# Allegro board MB1248D.brd (continued)
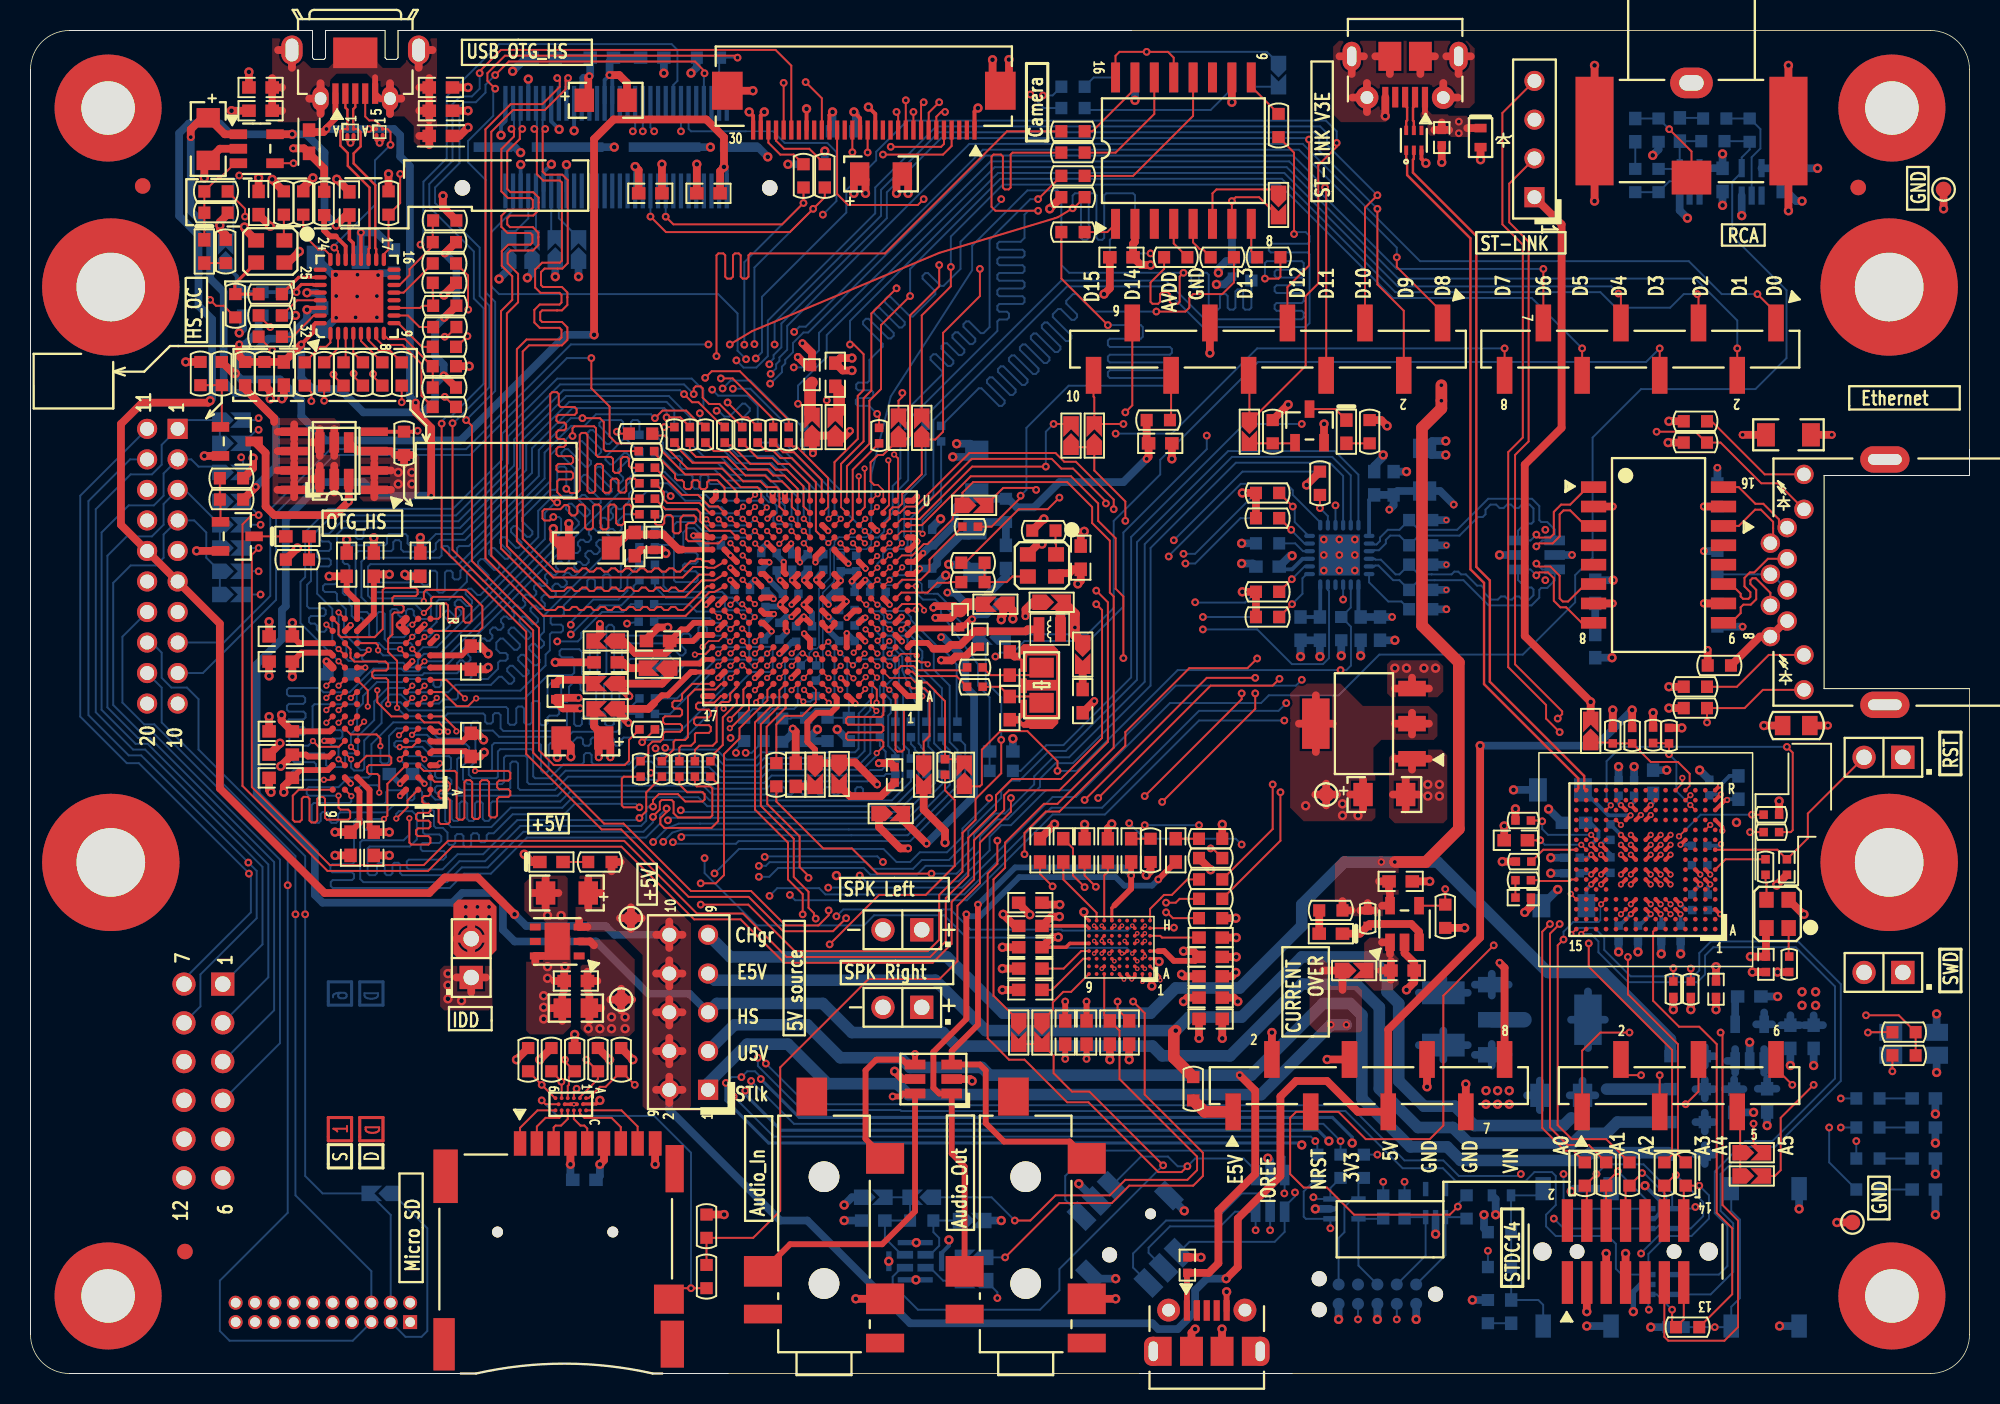
[diagram p0: board, top side]
## Routing (per net, layer and track width the routed paths; a pad name or vN(x,y) marks a point on that pad's centre or on a via; arc(x,y) is an arc through that point) (continued)
  L4_SIG w0.254: 68.92,28.06 69.45,27.52 v3(69.67,27.52)
  L4_SIG w0.508: v4(45.42,79.06) 47.51,76.97 47.52,76.95 47.93,76.55 47.95,76.53 49.32,76.53 50.12,77.33 51.9,77.33 64,65.23 72.01,65.23 73.87,63.37 73.87,59.55 78.57,54.85 78.57,42.91 83.52,37.96 v4(83.52,37.2) ; 68.92,28.06 68.92,28.41 v4(67.39,29.94) ; v4(18.11,70.82) v4(18.11,69.7)
  BOTTOM w0.254: CN15.60 45.6,78.85 45.42,79.03 v4(45.42,79.06)
  BOTTOM w0.508: v4(18.11,70.82) 18.72,70.82 19.11,70.44 C85.1 18.98,69.69 18.14,69.69 18.12,69.7 v4(18.11,69.7) 18.11,69.07 16.85,67.81 15.58,67.81 14.43,66.66 13.8,66.66 13.42,66.28 v4(13.42,65.52) 13.8,65.14 16.34,65.14 17.73,63.74 17.73,62.73 19.32,61.14 28.17,61.14 35.09,68.06 v4(36.91,68.06)
  vias: v4(85.93,37.33) v4(85.93,36.56) v4(86.95,36.56)
+3V3: length 184.1
  TOP w0.127: U12.C2 v3(72.99,27.34) 72.99,27.52 U12.D2 ; U12.B2 v3(72.99,26.52)
  TOP w0.203: U13.B1 36.21,17.66 37.06,17.66 v4(37.29,17.9)
  TOP w0.229: C59.1 67.82,27.93 68.07,28.18 U12.E9
  TOP w0.254: v4(47.07,82.67) 47.33,82.41 P1.30 ; v4(52.53,82.67) 52.33,82.46 P1.20 ; U7.B2 v2(25.81,38.64) ; U7.L7 v2(21.93,46.25)
  TOP w0.381: U7.N9 17.59,47.85 C27.1 ; U7.P7 22.48,49.75 C24.1 ; C29.1 28.72,46.25 U7.L1 ; U7.E1 26.24,41.41 28.29,41.41 C37.1 ; C45.1 22.2,35.75 22.2,38.24 U7.B7 ; C35.1 19.61,42.08 U7.F9 ; U7.D9 19.56,40.43 18.17,40.43 18.04,40.55 C38.1 ; C41.1 17.66,39.54 19.47,39.54 U7.C9 ; C23.1 20.71,51.27 21.39,50.59 U7.R7 ; C30.1 17.73,47.23 19.61,47.23 U7.M9 ; U7.A7 21.54,38.1 21.54,36.06 C44.1 ; U7.P2 v2(25.81,49.07)
  TOP w0.508: T4.3 21.41,60.44 T3.4 ; T4.3 22.52,59.96 ; T4.3 23.61,60.44 ; R118.1 v4(37.93,20.56) ; v4(39.45,20.56) R119.1 ; C27.1 v4(17.15,49.19) ; T4.2 22.52,59.65 ; T4.2 23.61,59.17 ; T4.2 22.52,58.69 ; C45.1 v4(23.5,35.47) ; C37.1 29.24,41.95 v4(29.67,41.52) ; v4(54.69,77.33) 54.69,78.22 C8.1 53.93,78.22 v4(53.93,77.33) ; v4(88.85,62.09) 88.47,62.47 R46.2 ; 36.48,25.11 C65.1 ; C65.1 36.48,26.33 ; C65.1 37.13,25.72 ; C64.1 75.52,26.02 v4(75.39,26.15) ; R58.2 25.08,60.19 ; R58.2 23.85,60.19 ; R58.2 24.47,59.59 ; CN8.2 v4(81.31,22.34) ; C29.1 29.85,46.14 v4(29.98,46.27) ; U8.3 90.49,45.59 ; U8.3 89.38,44.88 ; U8.3 91.59,44.88 ; R121.2 v4(45.43,10.41) ; TP4.1 38.69,25.21 ; TP4.1 37.98,24.5 ; TP4.1 38.69,23.79 ; TP4.1 39.4,24.5 ; R115.1 v4(31.83,20.56) ; 28.86,24.98 JP3.1 ; JP3.1 29.83,25.95 ; JP3.1 27.9,25.95 ; C70.1 v4(76.54,21.96) ; C68.1 75.77,24.63 v4(75.52,24.37) ; v4(79.37,51.22) R74.1 R75.1 ; 36.61,23.1 C69.2 ; C69.2 37.38,23.94 ; C69.2 36.61,24.78 ; C44.1 v4(19.94,35.47) ; 36.91,28.06 36.66,28.31 U11.2 ; R117.1 v4(35.64,22.21) ; v4(24.52,52.36) 24.64,52.24 C25.1 ; C23.1 v4(19.56,52.24) ; R8.2 v4(66.76,76.32) ; v4(16.44,43.15) 16.44,42.78 C35.1 ; v4(17.61,73.52) 16.88,72.8 X1.4 ; R83.2 v4(106.28,43.3) ; C24.1 22.61,52.36 v4(23.5,52.36) ; R99.2 v4(77.3,33.01) ; X2.4 67.39,52.44 68.03,52.44 68.28,52.69 C22.2 68.79,51.93 v4(68.6,51.74) ; CN13.3 v4(101.94,4.05) ; C11.2 v4(14.94,78.35) ; v4(67.31,28.59) 66.91,28.59 C59.1 ; T4.1 22.52,58.38 ; T4.1 22.52,57.42 ; T4.1 23.61,57.9 ; R34.1 15.7,64.38 v4(15.7,63.87) ; CN12.4 v4(35.36,13.7) ; v4(79.37,57.7) R64.2 R68.1 ; R116.1 v4(33.36,20.56) ; C38.1 v4(16.39,39.79) ; U3.2 72.34,74.15 72.22,74.03 C13.1 72.73,72.63 v4(73.36,72.63) ; R108.2 v4(78.95,29.83) ; v4(16.59,38.09) 16.59,38.47 C41.1 ; R63.1 v4(83.58,58.22) ; v4(39.6,79.08) 39.83,78.86 C9.1 ; v4(15.83,78.25) 15.83,78.22 R9.1 ; v4(59.9,34.79) 59.9,35.55 58.5,36.95 SB16.1 ; R13.1 12.91,75.96 12.4,75.45 v4(12.4,75.24) 12.4,75 12.78,74.61 R17.2 ; v4(17.15,45.66) C30.1 ; R71.2 v4(17.48,54.09) ; CN8.4 v4(84.93,20.58) ; v4(66.38,56) R70.1
  L4_SIG w0.508: v4(52.79,32.63) 52.79,33.09 52.07,33.8 52.07,40.11 51.54,40.64 v4(51.54,42.2)
  BOTTOM w0.254: CN15.36 v4(39.6,79.08) ; U18.9 83.32,53.38 82.63,52.69 81.97,52.69 C99.2
  BOTTOM w0.381: v2(25.81,38.64) 25.16,39.28 C121.1 ; C119.1 21.48,45.81 v2(21.93,46.25)
  BOTTOM w0.508: v4(17.35,69.33) R136.2 ; R177.1 v4(85.85,47.03) ; U16.5 110.82,78.98 C81.2 v4(110.83,79.91) ; R131.1 v4(49.61,79.24) ; R191.1 R192.1 50.8,41.46 51.54,42.2 v4(51.54,42.2) ; L8.2 v4(103.59,46.9) ; C149.1 35.36,12.84 v4(35.36,13.7) ; v4(52.53,82.67) C79.2 ; SB42.2 53.8,11.55 v4(53.29,11.04) ; LD1.1 v4(124.77,17.01) ; U14.2 C84.1 78.31,72.89 77.81,72.38 v4(77.81,72.12) ; v4(82.63,53.58) 82.5,53.58 C99.2 ; LD4.1 v4(124.77,10.4) ; v4(117.05,78.97) C80.2 113.39,78.97 U15.5 ; v4(100.92,11.93) 101.1,12.11 B2.1 ; B2.4 v4(101.94,3.11) ; R123.2 43.64,85.59 v4(43.26,85.21) ; LD3.1 v4(124.77,13.07) ; R130.1 v4(52.02,80.1) ; LD2.1 v4(124.77,15.1) ; R216.1 v4(94.44,4.81) ; CN16.1 v4(90.76,3.54)
  vias: v4(24.08,59.04) v4(24.08,58.28) v4(24.97,59.04) v4(24.97,58.28) v4(27.34,26.2) v4(27.34,25.44) v4(27.34,24.55) v4(28.23,24.43) v4(36.53,22.59) v4(37.29,22.59) v4(38.05,23.36) v4(38.05,22.59) v4(38.94,23.36) v4(38.94,22.59) v4(89.36,46.22) v4(90.12,46.22) v4(91.27,46.22) v4(92.03,46.22)
+5V: length 257.9
  TOP w0.229: C12.1 20.88,74.32 21.14,74.07 21.14,73 U4.21
  TOP w0.508: 35.93,29.69 U11.3 36.49,29.26 ; JP6.10 41.84,29.61 ; JP6.10 41.84,27.88 ; JP6.10 40.97,28.75 ; JP6.10 42.7,28.75 ; C54.1 37.37,31.48 ; C54.1 36.53,30.52 ; C54.1 36.53,32.45 ; JP6.6 42.7,23.67 ; JP6.6 41.84,22.8 ; JP6.6 41.84,24.53 ; JP6.6 40.97,23.67 ; C12.1 20.68,75.91 v4(20.02,75.25) ; 39.32,29.12 TP3.1 ; TP3.1 40.04,29.83 ; TP3.1 39.32,30.55 ; TP3.1 38.61,29.83 ; JP6.8 42.7,26.21 ; JP6.8 41.84,25.34 ; JP6.8 40.97,26.21 ; JP6.8 41.84,27.07 ; 38.05,32.91 R101.2 38.65,33.52 ; v4(94.95,41.14) 94.95,28.56 88.93,22.54 CN8.5 86.94,17.15 84.92,19.17 82.89,19.17 81.87,18.15 81.87,12.94 79.08,10.15 79.08,6.97 v4(78.31,6.21) ; U2.5 v4(17.14,81.2) ; JP6.2 41.84,19.45 ; JP6.2 40.97,18.59 ; JP6.2 41.84,17.72 ; JP6.2 42.7,18.59 ; 41.84,20.26 JP6.4 ; JP6.4 41.84,21.99 ; JP6.4 40.97,21.13 ; JP6.4 42.7,21.13 ; v4(31.7,30.09) 29.29,32.5 27.13,32.5 26.12,31.48 19.26,31.48 12.4,38.34 12.4,49.13 P2.6 P2.15 5.92,55.61 5.92,62.22 7.32,63.62 11.64,63.62 v4(11.77,63.74) ; R85.2 v4(104.91,43.47)
  L4_SIG w0.508: v4(17.14,81.2) 18.18,81.2 19.51,79.87 27.02,79.87 27.59,80.43 28.41,80.43 29.44,81.46 29.44,82.05 31.58,84.19 v4(31.58,85.33)
  BOTTOM w0.508: JP6.10 38.25,28.75 37.67,29.33 32.47,29.33 v4(31.7,30.09) ; v4(11.77,63.74) 11.89,63.87 11.89,69.08 11,69.97 11,74.59 9.73,75.86 9.73,81.27 10.37,81.9 12.4,81.9 13.1,81.2 v4(17.14,81.2) 18.05,81.2 19.26,80 19.26,76.01 v4(20.02,75.25) ; v4(94.95,41.14) 102.57,41.14 v4(104.91,43.47) ; v4(78.31,6.21) 77.04,6.21 76.28,5.45 76.28,4.05 75.14,2.91 73.87,2.91 73.49,3.29 57.61,3.29 50.88,10.02 49.1,10.02 41.84,17.29 JP6.2 ; v4(31.58,85.33) 32.47,86.22 L5.1
GND: length 817.4
  TOP w0.127: U12.E2 v3(72.99,28.34) ; U12.E7 v3(70.17,28.34) 70.17,28.52 U12.F7 ; U12.E8 v3(69.67,28.34) ; U12.G5 v3(71.49,29.34) ; U12.D6 v3(70.67,27.52)
  TOP w0.191: v4(68.99,30.24) 68.99,30.02 U12.H9 ; U12.A5 71.33,26.13 71.62,25.84 v3(71.62,25.82) ; U12.C1 73.73,27.18 v4(73.92,26.99) ; v4(73.44,25.39) 73.33,25.51 U12.A1
  TOP w0.203: U13.B4 U13.B3 v3(35.59,17.64) U13.B2
  TOP w0.229: U12.A3 72.33,26.03 v3(72.13,25.83) 71.83,26.13 U12.A4
  TOP w0.254: U9.F7 v2(106.77,32.04) ; U9.D8 v2(106.12,30.74) ; U9.M1 110.81,35.8 v2(110.81,35.56) ; D2.B1 22.66,80.84 v1(22.86,80.64) 23.06,80.83 D2.B2 ; U9.K10 v2(104.17,35.29) ; P1.14 55.33,82.54 v4(54.88,82.98) ; U9.K6 v2(107.42,35.29) ; v2(111.13,37.58) 111.01,37.58 U9.N1 ; U9.G10 v2(104.17,32.69) ; U9.F9 v2(104.82,32.04) ; U9.H7 v2(106.77,33.99) ; U9.H10 v2(104.17,33.99) ; U9.G6 v2(107.42,32.69) ; U9.F10 v2(104.17,32.04) ; U9.G12 v2(102.87,32.69) ; U9.G8 v2(106.12,32.69) ; U9.F2 v2(110.02,32.04) ; U9.F8 v2(106.12,32.04) ; U1.3 91.11,79.59 v4(91.39,79.31) ; U9.D7 v2(106.77,30.74) ; P1.1 61.83,82.69 v4(62.06,82.92) ; U9.F6 v2(107.42,32.04) ; U9.M9 v2(105.47,36.6) ; D1.B2 21.15,80.83 v1(20.96,80.64) 20.75,80.84 D1.B1 ; U9.H9 v2(104.82,33.99) ; U9.H8 v2(106.12,33.99) ; v4(48.06,82.67) 47.83,82.43 P1.29 ; U9.J8 v2(106.12,34.64) ; U9.G9 v2(104.82,32.69) ; U9.J9 v2(104.82,34.64) ; U9.H12 v2(102.87,33.99) ; U9.J10 v2(104.17,34.64) ; U9.F12 v2(102.87,32.04) ; P1.16 54.33,82.27 v4(53.93,82.67) ; U9.G2 v2(110.02,32.69) ; U9.D5 v2(108.07,30.74) ; U9.H6 v2(107.42,33.99) ; P1.23 v4(50.83,82.87) ; U9.M8 v2(106.12,36.59) ; U9.G7 v2(106.77,32.69) ; U9.K7 v2(106.77,35.29) ; U9.J6 v2(107.42,34.64) ; U9.J7 v2(106.77,34.64) ; U9.D9 v2(104.82,30.74) ; U9.K9 v2(104.82,35.29) ; U9.K8 v2(106.12,35.29)
  TOP w0.381: v2(20.97,38.66) 20.59,39.04 U7.B8 ; U6.R8 v2(52.25,55.2) ; U6.L10 50.26,52.36 v2(49.87,51.98) U6.K10 ; U6.G16 v2(45.05,48.78) ; U6.U17 44.89,57.42 v2(44.89,57.77) ; U6.C10 v2(49.85,45.58) ; U7.P8 20.95,49.01 20.96,49.01 v2(20.96,49.04) ; C29.2 28.22,47.05 U7.M1 ; U6.P1 57.82,54.79 v2(58.09,54.52) 58.04,54.48 58.04,54.45 57.59,53.99 U6.N1 ; U6.C13 v2(47.45,45.58) ; v2(58.07,57.46) 57.79,57.19 U6.U1 ; U6.K8 51.51,51.94 51.51,51.96 v2(51.47,52) 51.48,52 51.86,52.38 U6.L8 ; U6.K15 v2(45.85,52) ; U6.J10 v2(49.85,50.38) ; U6.L15 v2(45.85,52.8) ; U6.A17 v2(44.07,44.39) ; v2(26.81,39.99) 26.68,39.85 U7.C1 ; U6.H11 49.43,49.99 49.1,50.32 v2(49.1,50.39) 49.15,50.44 49.15,50.48 U6.J11 ; U6.B2 U6.A1 v2(58.41,44.39) ; U6.J16 v2(45.05,50.38) ; CN14.5 v4(78.34,5.35) ; U6.R4 55.41,55.23 v2(55.45,55.23) ; v2(24.2,38.64) 24.2,38.67 U7.B3 ; v2(49.33,53.18) 49.33,52.52 U6.L11 ; U6.G7 52.66,49.09 v2(52.3,48.72) 52.23,48.72 51.86,49.1 U6.G8 ; U6.G10 50.26,49.2 v2(50.65,49.6) 50.86,49.39 U6.G9 ; U7.N1 v2(26.6,48.27) ; U7.A3 24.2,37.87 v2(24.2,37.84) ; U6.J3 v2(56.27,50.38) ; U6.M15 v2(45.85,53.6) U6.N16 ; U6.H9 51.03,49.99 v2(50.65,50.38) U6.J9 ; U6.J8 v2(52.27,50.38) ; U6.L7 52.66,52.36 v2(53.07,51.95) 52.71,51.59 U6.K7 ; U6.G11 49.46,48.73 49.53,48.65 v2(49.53,48.64) ; U6.J7 53.22,50.79 53.42,50.59 v2(53.45,50.59) 52.85,49.99 U6.H7 ; U6.J17 v2(44.25,50.38) ; U6.H10 v2(49.85,49.58) ; v2(26.8,42.06) 26.39,42.06 U7.F1 ; U7.D1 26.31,40.77 28.49,40.77 C37.2 ; U6.H8 v2(52.27,49.58) ; U7.L3 v2(25.01,46.67) ; U6.K11 49.46,51.65 49.13,51.98 v2(49.1,51.98) ; U6.K9 v2(50.67,51.98) 51.06,52.36 U6.L9 ; U7.E9 v2(19.23,41.45)
  TOP w0.508: CN14.11 v4(78.04,2.91) ; 93.54,85.15 CN2.6 ; CN2.6 94.34,86.31 ; CN2.6 92.74,86.31 ; R95.1 v4(97.26,37) ; R84.1 v4(103.64,43.47) ; C30.2 v4(15.63,45.71) ; CN12.6 37.56,13.98 v4(37.29,13.7) ; D4.2 61.55,19.29 v4(61.68,19.17) ; X4.2 116.11,30.09 v4(116.16,30.09) ; v4(57.49,77.33) 57.49,78.22 C8.2 56.72,78.22 v4(56.72,77.33) ; v1(49.93,42.26) 50.12,42.06 C40.1 ; v4(53.8,65.72) 53.19,65.72 C16.1 53.04,66.54 v4(53.8,66.54) ; v4(41.61,53.74) 41.38,53.96 39.96,53.96 C20.2 ; C22.1 68.79,54.95 v4(69.02,55.18) ; C54.2 33.74,32.45 ; C54.2 33.74,30.52 ; C54.2 32.9,31.48 ; C54.2 34.57,31.48 ; 90.07,36.97 C42.2 ; C42.2 90.07,38.9 ; C42.2 90.91,37.94 ; C42.2 89.23,37.94 ; v4(102.44,85.71) CN3.3 v4(102.44,76.82) ; X1.2 14.01,75.01 14.01,75.12 v4(14.01,75.12) ; v4(16.46,63.87) 16.59,64 C14.2 ; R107.1 v4(93.93,29.2) ; v4(64.09,86.09) 64.09,84.62 P1.31 63.01,84.56 v4(63.01,86.08) ; R22.2 27.08,70.68 v4(27.08,70.66) ; v4(18.5,78.35) 17.86,77.71 R10.2 ; C67.1 v4(63.66,25.13) ; C9.2 v4(41.36,79.24) ; SB9.2 64.34,50.03 v4(64.34,49.44) ; SB9.2 63.96,50.28 ; SB9.2 63.71,50.15 63.71,49.72 63.58,49.6 v4(63.58,49.39) ; v4(34.24,55.36) 34.24,54.65 34.8,54.09 C21.1 35.26,54.29 v4(35.26,55.69) ; C29.2 29.47,47.66 v4(29.98,47.16) ; C45.2 v4(23.5,33.95) ; 33.06,26.93 U11.6 33.62,27.36 ; v4(65.45,30.06) 64.72,30.79 C56.2 ; R86.2 v4(108.16,42.31) ; v4(73.08,32.65) 73.36,32.93 R98.2 ; C49.2 70.57,35.73 70.82,35.98 v4(70.82,36.01) ; 34.83,23.1 C69.1 ; C69.1 34.05,23.94 ; C69.1 34.83,24.78 ; C37.2 29.44,40.43 v4(29.72,40.7) ; C2.2 v4(28.66,84.27) ; TP5.1 v4(118.32,9.89) ; R57.2 v4(107.26,61) ; C11.1 v4(15.7,75.17) ; CN14.10 76.04,2.67 v4(76.28,2.91) ; 85.73,86.31 CN2.7 ; CN2.7 86.54,85.15 ; CN2.7 87.34,86.31 ; v4(63.71,30.09) 64.47,29.33 C57.2 ; C27.2 v4(15.63,49.26) ; C13.2 70.69,71.11 v4(70.31,70.73) ; X2.2 66,54.34 v4(66.25,54.34) ; v4(34.5,40.37) 34.5,41.39 C36.2 34.88,41.64 35.39,41.14 v4(35.39,40.41) ; C1.2 v4(14.31,85.28) ; C18.1 v4(74.76,59.93) ; C62.2 v4(63.66,26.53) ; v4(115.14,76.19) CN3.4 v4(115.14,85.71) ; C60.2 v4(78.97,27.29) ; R79.2 v4(107.31,45) ; v4(28.66,81.65) 28.1,81.09 L1.1 ; R94.1 v4(114.53,37.5) ; C52.1 v4(114.37,32.01) ; R45.2 v4(82.38,63.49) ; 34.31,25.72 C65.2 ; C65.2 34.96,25.11 ; C65.2 34.96,26.33 ; C25.2 v4(25.53,54.78) ; CN8.7 v4(94.01,18.96) ; C31.2 64.44,46.98 v4(64.98,46.98) ; R112.1 v4(108.75,23.84) ; C64.2 78.69,26.02 v4(78.95,26.28) ; v4(11.38,78.35) 11.38,79.24 C7.2 12.4,80.25 U2.2 ; v4(27.02,77.17) 27.01,77.16 27.01,76.44 R14.2 ; C24.2 v4(22.48,54.76) ; v4(79.08,24.37) 78.82,24.63 C68.2 ; CN12.9 v4(40.91,13.7) ; U10.2 90,27.55 90.63,26.91 C63.1 90.63,25.64 v4(90.12,25.13) ; R11.1 v4(23.45,78.6) ; CN2.5 v4(88.74,82.4) ; C53.2 v4(91.65,32.25) ; v4(41.74,48.88) 41.1,48.88 40.34,48.12 C28.1 ; C48.2 v4(69.04,35.98) ; v4(71.96,20.56) C74.1 ; T1.2 v4(84.72,62.22) ; C38.2 16.34,41.26 v4(16.34,41.3) ; v4(14.58,59.99) 14.58,59.32 R61.1 ; C23.2 v4(20.71,54.64) ; v4(15.75,38.09) 15.63,38.22 C41.2 ; C66.1 v4(110.4,23.84) ; 88.08,86.31 CN2.11 89.04,85.15 ; R100.1 v4(96.4,33.54) ; C73.1 v4(70.69,20.56) ; C10.2 v4(43.64,79.24) ; CN13.7 v4(104.48,7.86) ; 90.49,39.57 U8.1 ; U8.1 91.59,40.28 ; U8.1 89.38,40.28 ; U3.10 v4(78.69,83.3) ; 86.58,83.61 CN2.9 ; CN2.9 87.54,84.56 ; CN2.9 87.54,82.66 ; 91.99,86.31 CN2.10 91.04,85.15 ; C46.2 v4(67.07,35.99) ; P1.32 v4(47.32,84.05) ; CN10.3 v4(54.06,4.89) ; U7.L9 v2(19.38,46.67) ; C4.2 v4(13.16,82.74) ; v4(97.87,30.21) 98.28,30.62 C55.1 ; v4(20.06,78.26) C12.2 ; R30.2 v4(28.73,66) ; C58.2 v4(78.97,28.56) ; R80.2 v4(107.31,43.6) ; C32.1 v4(34.37,46.6) ; C75.1 v4(76.66,7.61) ; CN13.5 v4(103.21,7.86) ; U7.P3 24.57,48.65 v2(24.18,49.04) U7.R3 ; v4(56.6,19.8) 57.1,19.29 D4.5 ; 92.54,84.56 CN2.8 93.49,83.61 ; CN5.7 v4(77.25,66.87) ; v4(11.38,60.13) T2.2 ; C70.2 v4(78.06,21.96) ; C35.2 v4(15.63,43.04) ; v4(32.34,34.02) 32.85,33.52 LD8.2 ; R44.2 v4(107.31,62.4) ; C43.1 v4(96.52,35.88) ; R97.2 v4(78.06,35.98) ; CN11.3 v4(71.07,4.89) ; R81.2 v4(113.54,42.46) ; C5.2 v4(28.66,82.74) ; CN8.6 v4(91.47,18.78) ; C61.1 v4(112.78,26.3) ; C44.2 v4(19.94,33.95) ; C6.1 v4(92.44,79.36) ; C59.2 v4(63.66,27.93) ; D3.2 v4(94.98,79.53) ; TP1.1 v4(125.3,76.32) ; T5.2 v4(10.88,53.9) ; R31.2 v4(10.16,66.28) ; C34.2 v4(65.03,42.84)
  L4_SIG w0.127: v2(45.4,43.57) 45.4,43.04 44.91,42.55 44.91,39.48 45.1,39.29 46.25,38.14 46.25,32.56 46.44,32.37 46.44,19.55 v1(46.56,19.42) 46.56,18.78 v1(46.82,18.53) ; v1(46.82,18.53) 46.94,18.66 47.33,18.66 47.83,19.17 v1(47.83,19.29) 47.83,19.55 47.2,20.18 47.2,32.6 46.94,32.86 46.94,38.34 45.76,39.52 45.76,41.56 v1(45.85,41.64) ; v1(46.82,18.53) 46.82,18.15 46.31,17.64 45.8,17.64 45.55,17.9 v1(45.55,19.04) 45.67,19.17 45.67,31.99 45.56,32.11 45.56,37.93 44.83,38.66 44.28,39.21 44.28,42.81 44.47,43 44.47,44 v2(44.07,44.39)
  L4_SIG w0.203: 121.37,27.65 121.37,25.64 123.35,23.66 123.35,16.33 120.78,13.76 114.51,13.76 111.1,10.35 108.59,10.35 107.14,11.8 107.14,13.83 105.87,15.1 89.62,15.1 88.78,15.94 85.76,15.94 v4(85.04,15.23) ; 121.37,27.65 121.87,28.16 122.53,28.16 124.16,26.53 124.16,15.99 121.11,12.94 114.76,12.94 111.46,9.64 108.29,9.64 106.38,11.55 106.38,13.45 105.75,14.09 102.57,14.09 101.05,12.56 100.03,12.56 98.25,14.34 89.11,14.34 88.35,15.1 v4(86.57,15.1) ; 121.37,27.65 119.56,27.65 118.83,26.91 118.83,25.52 119.33,25.01 119.97,25.01 122.51,22.47 122.51,16.57 120.41,14.47 114.21,14.47 111.29,11.55 109.3,11.55 108.79,12.05 108.79,13.45 106.38,15.86 90.25,15.86 89.36,16.75 84.16,16.75 83.27,15.86 v4(83.27,14.97) ; v4(114.53,37.5) 114.46,37.58 v2(111.13,37.58)
  BOTTOM w0.127: v1(47.83,19.29) 47.83,19.42 47.45,19.8 46.94,19.8 v1(46.56,19.42) 45.93,19.42 v1(45.55,19.04)
  BOTTOM w0.203: v1(46.82,18.53) 46.82,18.28 49.15,15.94 84.33,15.94 v4(85.04,15.23) ; v1(47.83,19.29) 50.35,16.78 85.27,16.78 86.57,15.48 v4(86.57,15.1) ; v1(45.55,19.04) 45.55,17.9 48.34,15.1 83.14,15.1 v4(83.27,14.97)
  BOTTOM w0.254: v4(60.15,8.75) 60.15,8.37 59.7,7.92 U21.5 ; v4(30.82,81.14) 30.82,81.78 31.1,82.07 CN15.1 ; v2(110.02,32.69) 109.83,32.88 C132.1 ; C123.1 111.18,37.63 v2(111.13,37.58) ; CN15.7 v4(32.6,84.81) ; D14.2 106.38,10.15 106.63,10.4 106.63,10.42 106.7,10.49 106.7,11.35 v4(105.75,12.31) ; v4(34.63,81.52) 34.1,82.04 CN15.13 ; C137.1 108.45,30.37 v2(108.07,30.74) ; C130.1 110.62,34.58 v2(110.72,34.69) ; C129.1 v2(104.17,35.29) ; C135.1 109.86,31.88 v2(110.02,32.04) ; CN15.12 33.6,78.72 v4(34.12,79.24) ; CN15.19 v4(35.6,81.43) ; v2(102.87,32.69) 102.98,32.81 C133.1 ; CN15.18 v4(35.1,79.21) ; CN15.6 v4(32.1,79.22)
  BOTTOM w0.356: D15.2 105.47,5.83 104.98,5.35 v4(104.98,4.05)
  BOTTOM w0.381: C105.2 52.61,51.22 52.27,50.88 v2(52.27,50.38) ; C116.2 50.14,49.14 50.6,49.6 v2(50.65,49.6) ; v2(49.85,49.58) 49.46,49.58 C109.2 ; v2(53.07,51.95) 53.04,51.98 C98.2 C97.2 ; v2(56.27,50.38) 56.01,50.64 C104.2 ; v2(49.85,50.38) 50.3,50.83 C106.2 ; v2(49.53,48.64) 49.53,48.58 C117.2 ; C115.2 51.19,49.84 v2(50.65,50.38) ; C108.2 52.96,50.13 53.42,50.59 v2(53.45,50.59) ; C102.2 46.11,51.74 v2(45.85,52) ; C107.2 48.16,50.26 48.97,50.26 v2(49.1,50.39) ; v2(49.1,51.98) 49,52.08 C100.2 ; v2(49.33,53.18) 48.87,53.63 C93.2 ; C118.2 52.3,48.66 v2(52.3,48.72) ; C121.2 23.56,39.28 v2(24.2,38.64) ; C110.2 52.84,49.01 v2(52.27,49.58) ; C96.2 49.87,52.65 v2(49.87,51.98) ; C95.2 50.65,52.41 50.65,52 v2(50.67,51.98) ; C91.2 45.52,53.97 45.52,53.93 v2(45.85,53.6) ; v2(51.47,52) 51.51,52 51.48,52.03 51.48,52.08 C94.2
  BOTTOM w0.508: CN15.62 v4(38.23,80.36) ; C150.2 v4(53.29,10.02) ; v4(53.93,82.67) 54.06,82.54 C79.1 ; CN15.63 v4(44.53,80.36) ; v4(92.7,60.19) 91.74,60.19 C86.2 91.8,61.1 v4(92.7,61.1) ; C147.1 v4(113.75,16.24) ; C89.1 88.01,59.47 88.6,60.06 v4(88.6,60.19) ; C122.1 v4(107.17,39.54) ; SB43.1 v4(63.58,10.02) ; R214.2 95.2,9.51 v4(95.2,10.4) ; U19.1 96.82,20.88 ; U19.1 95.71,20.17 ; U19.1 95.71,21.59 ; U19.1 94.61,20.88 ; CN15.61 31.73,80.36 32.09,80 v4(32.1,80) ; U17.2 v4(96.22,53.63) ; v2(19.38,46.67) 19.41,46.64 C119.2 ; D10.2 95.97,11.43 v4(95.97,10.4) ; v4(59.61,56) 59.61,56 59.06,55.45 C90.1 ; v4(84.45,46.98) C113.2 C114.1 v4(83.18,46.98) ; v4(48.29,79.72) 47.65,80.36 CN15.64 ; C111.1 v4(89.36,48.05) ; LD10.1 v4(124.85,23.56) ; v4(60.41,60.06) 61.55,60.06 C87.2 61.55,60.92 v4(60.66,60.92) ; C136.1 v4(100.03,31.71) ; C92.2 61.35,53 60.43,53 60.15,53.02 v4(60.14,53.02) ; R163.2 v4(79.33,54.4) ; v4(13.67,68.19) 13.92,68.44 R138.1 ; C128.1 v4(99.43,36.98) ; v1(22.76,71.97) 22.89,72.1 C83.2 ; v4(108.53,75.71) 108.02,76.21 U16.3 ; R173.2 v1(92.74,50.08) ; C80.1 115.03,77.45 115.65,76.82 v4(116.03,76.82) ; v4(79.33,53.07) 80.06,53.07 C99.1 ; C84.2 78.19,71.36 v4(77.68,71.36) ; v4(37.29,13.7) 37.29,12.94 C149.2 ; SB28.2 32.85,72.1 v4(32.54,71.79) ; C145.1 v4(115.27,20.18) ; C146.2 98.86,19.19 ; C146.2 98.02,18.23 ; C146.2 98.86,17.26 ; C142.1 v4(114.43,24.7) ; 90.94,21.52 C143.2 ; C143.2 92.54,22.47 ; C143.2 94.14,21.52 ; C143.2 92.54,20.56 ; C140.1 v4(105.29,27.62) ; B1.4 v4(114.56,3.11) ; SB29.2 31.32,72.35 v4(30.69,71.72) ; C138.1 v4(108.08,27.5) ; R196.2 49.36,41.39 49.87,41.9 49.87,42.15 49.93,42.21 v1(49.93,42.26) ; C144.1 v4(116.79,20.18) ; C125.1 v4(105.03,39.77) ; C141.1 v4(104.02,27.62) ; B3.8 69.69,6.21 v4(71.07,6.21) ; C120.1 v4(64.34,41.59) ; C134.1 v4(99.57,32.78) ; D12.2 v4(84.16,10.78) ; C88.1 v4(90.12,59.09) ; B1.1 v4(115.84,10.78) ; L4.1 v4(41.48,85.21) ; U14.10 v4(72.34,83.43) ; SB27.2 v4(34.37,71.87) ; v4(68.66,12.43) 69.79,11.31 B3.5 ; C127.1 v4(97.13,38.24) ; D13.2 v4(106.13,3.04) ; v4(59.95,52.31) 59.94,52.31 59.36,51.73 C101.1 ; C103.1 v4(103.66,51.98) ; C131.1 v4(99.57,33.8) ; SB26.2 v4(35.9,71.87) ; R190.2 v4(52.84,42.2) ; B3.7 v4(75.57,10.66) ; U20.2 v4(112.6,21.71) ; v1(20.02,69.18) 19.13,68.29 C85.2 ; C81.1 v4(110.83,76.54) ; CN16.5 v4(85.68,3.54) ; C124.1 v4(109.33,39.54) ; R128.1 106.63,80.2 v4(106.25,79.82) ; C82.1 19.82,72 v4(19.99,72) ; C139.1 v4(106.81,27.5) ; U15.3 v4(112.08,75.87) ; D9.2 81.19,13.96 v4(81.04,14.11) ; C126.1 v4(104.02,39.77) ; C112.1 v4(87.12,47.03) ; C148.2 v4(112.86,17.11) ; CN16.3 v4(88.22,3.54) ; D11.2 v4(92.03,9.13)
  vias: v1(20.02,70.6) v1(21.29,69.2) v1(21.39,70.58) v1(21.42,72) v1(22.69,70.6) v1(22.69,69.2) v1(84.71,54.65) v1(84.71,53.63) v1(84.71,52.62) v1(85.72,54.65) v1(85.72,53.63) v1(85.72,52.62) v1(86.74,54.65) v1(86.74,53.63) v1(86.74,52.62) v1(99.22,55.28) v1(99.22,51.98) v4(33.61,24.75) v4(33.61,23.99) v4(33.61,23.23) v4(33.86,30.01) v4(33.86,26.66) v4(33.86,25.9) v4(34.75,30.01) v4(35.01,26.66) v4(56.22,7.35) v4(57.99,6.14) v4(58.02,8.57) v4(91.52,38.6) v4(91.52,37.83) v4(92.28,38.6) v4(92.28,37.83) v4(95.33,18.53) v4(95.33,17.64) v4(96.09,18.53) v4(96.09,17.64) v4(96.86,18.53) v4(96.86,17.64) v4(111.74,36.11)
GND-SD: length 34.3
  TOP w0.254: U6.T12 48.32,56.05 48.3,56.05 v2(48.26,56.01) ; U6.B6 v2(53.08,45.57)
  TOP w0.381: U6.F2 v2(57.07,47.98) ; U6.C16 v2(45.05,45.58)
  TOP w0.508: v1(59.26,49.52) 60.28,49.52 60.69,49.93 C26.1 60.53,50.28 59.24,50.28 v1(59.14,50.18) ; v1(55.56,39.98) 55.57,39.99 56.34,39.99 C15.1 ; C152.1 v1(69.68,44.06) ; v1(36,43.58) 34.88,43.58 34.37,44.09 C33.1 34.46,44.27 v1(35.9,44.27) ; v1(50.56,67.51) 51.19,66.89 C39.1 50.93,65.95 50.27,66.61 50.27,66.6 v1(50.25,66.6) ; v1(59.64,46.75) 59.64,46.72 60.34,46.72 60.59,46.98 61.23,46.98 61.86,47.61 C153.2
  TOP w0.762: SB9.1 61.37,50.41 C26.1
  L4_SIG w0.508: v1(69.68,44.06) 69.68,45.33 68.79,46.22 68.79,46.98 67.9,47.87 65.23,47.87 65.05,47.69 64.42,47.69 64.09,47.36 64.09,46.34 63.33,45.58 62.06,45.58 60.8,46.84 59.73,46.84 v1(59.64,46.75)
GNDDETECT: length 57.5
  TOP w0.102: U9.K13 v2(102.22,35.29)
  TOP w0.127: CN13.11 107.02,2.4 107.27,2.15 110.95,2.15 111.84,3.04 111.84,10.02 110.83,11.04 110.83,22.21 v1(110.7,22.34) ; R95.2 98.96,36.23 v1(99.01,36.18)
  L4_SIG w0.102: v1(110.7,22.34) 110.57,22.47 107.65,22.47 102.95,27.17 99.52,27.17 97.36,29.33 97.36,34.53 v1(99.01,36.18)
  BOTTOM w0.127: v1(99.01,36.18) 99.01,35.68 99.4,35.29 v2(102.22,35.29)
VBUS_HS: length 176.9
  TOP w0.203: D2.A1 v1(22.16,81.55)
  TOP w0.381: v1(19.39,81.55) 19.39,81.65 19.97,82.24 CN1.1
  TOP w0.508: v1(19.39,81.55) 19.19,81.35 18.37,81.35 L2.2 ; v1(25.23,63.62) 25.23,62.98 26.24,61.96 v1(26.24,57.52)
  BOTTOM w0.508: v1(26.24,57.52) 22.69,57.52 21.8,58.41 19.13,58.41 16.72,56 16.72,50.28 16.46,50.03 16.46,48.12 14.81,46.47 14.81,37.96 18.62,34.15 18.62,31.36 19.13,30.85 27.64,30.85 28.28,31.48 30.31,31.48 30.94,30.85 30.94,29.07 31.7,28.31 37.04,28.31 40.47,24.88 43.17,24.88 JP6.5 ; v1(19.39,81.55) v1(22.16,81.55) 23.81,81.55 24.21,81.14 24.21,79.74 24.85,79.11 24.85,64 v1(25.23,63.62)
  BOTTOM w0.762: D7.1 103.94,16.47 103.21,15.74 101.68,15.74 101.05,15.1 94.19,15.1 93.17,16.12 90.89,16.12 88.35,18.66 88.35,23.99 86.82,25.52 83.27,25.52 78.57,20.82 74.12,20.82 73.49,21.45 60.66,21.45 59.77,22.34 53.8,22.34 51.9,24.25 44.96,24.25 JP6.5
VDD_MCU: length 56.8
  TOP w0.381: v2(48.42,52.01) 48.04,52.39 U6.L13 ; v2(48.69,49.76) 48.67,49.77 48.07,49.77 U6.H13 ; U6.L5 53.78,51.91 v2(53.8,51.91) ; v2(50.67,48.49) 50.67,48.47 51.06,48.08 U6.E9 ; U6.K13 v2(47.45,52) ; U6.N8 51.86,53.98 51.41,53.53 v2(51.41,53.15) ; U6.K5 v2(54.67,52) ; U6.P17 44.37,54.79 44.25,54.9 v2(43.41,54.9) ; U6.J13 47.91,50.84 48.56,50.84 48.64,50.75 v2(48.67,50.75) ; v2(49.05,47.18) 49.07,47.18 49.46,47.56 U6.E11 ; U6.N12 v2(48.25,54.4) ; v2(54.69,52.74) 54.69,52.76 U6.M5 ; v2(48.54,48.63) 48.54,48.64 47.99,49.19 U6.G13 ; U6.F5 v2(54.67,47.98) ; v2(48.39,53.15) 48.35,53.19 U6.M13 ; U6.G5 54.59,49.52 54.67,49.52 v2(54.68,49.53) ; v2(53.46,49.52) 53.49,49.52 53.96,49.99 U6.H5 ; v2(53.57,53.06) 53.55,53.08 53.52,53.08 52.66,53.94 U6.N7 ; v2(49.82,54.38) 49.82,54.38 49.46,54.01 U6.N11 ; U6.N10 50.26,53.29 v2(50.4,53.15) ; U6.E6 v2(53.46,48.5)
  TOP w0.508: JP3.2 28.86,29.46 ; JP3.2 29.83,28.49 ; JP3.2 28.86,27.52 ; JP3.2 27.9,28.49 ; v1(37.98,40.37) 37.98,41.21 C36.1 ; v1(37.29,49.11) 37.29,48.38 SB10.1 ; C36.1 37.22,41.31 v1(37.22,40.37) ; C36.1 37.55,41.77 36.91,42.41 SB49.1
  L4_SIG w0.508: v2(53.8,51.91) 53.8,51.75 54.38,51.17 56.65,51.17 56.98,50.84 58.17,50.84 58.5,51.17 v1(60.05,51.17)
  BOTTOM w0.254: C97.1 54.08,53.45 54.69,52.84 v2(54.69,52.74)
  BOTTOM w0.381: C118.1 53.47,48.5 v2(53.46,48.5) ; C108.1 53.47,49.52 v2(53.46,49.52) ; C115.1 50.7,48.43 50.71,48.43 50.71,48.46 50.69,48.49 v2(50.67,48.49) ; C102.1 47.12,51.68 v2(47.45,52) ; C107.1 48.26,51.25 48.66,50.85 48.66,50.76 v2(48.67,50.75) ; v2(43.41,54.9) 43.41,54.88 44.02,54.27 C91.1 ; C110.1 54.36,49.39 54.54,49.39 v2(54.68,49.53) ; v2(53.57,53.06) 53.57,53.07 C98.1 ; C105.1 53.98,51.65 53.8,51.83 v2(53.8,51.91) ; v2(48.54,48.63) 48.04,48.13 C117.1 ; C95.1 50.4,53.18 v2(50.4,53.15) ; C93.1 47.86,54.01 v2(48.25,54.4) ; C94.1 51.41,53.18 v2(51.41,53.15) ; v2(48.42,52.01) 48.42,51.96 C106.1 ; v2(48.69,49.76) 48.65,49.76 48.08,49.19 C109.1 ; v2(48.39,53.15) 48.34,53.15 47.86,52.67 C100.1 ; v2(54.67,52) 55,51.68 C104.1 ; v2(49.82,54.38) 49.82,53.76 C96.1 ; C116.1 49.89,47.94 49.12,47.18 v2(49.05,47.18)
  BOTTOM w0.508: L6.1 63.89,52.24 L7.1 61.3,50.41 60.53,51.17 v1(60.05,51.17)
  vias: v1(28.51,30.57) v1(28.51,29.91) v1(29.27,30.57) v1(29.27,29.91) v1(30.03,30.57) v1(30.03,29.91)
